# Altium PCB CableNodeRevG.PcbDoc (part 2 of 3) (continued)
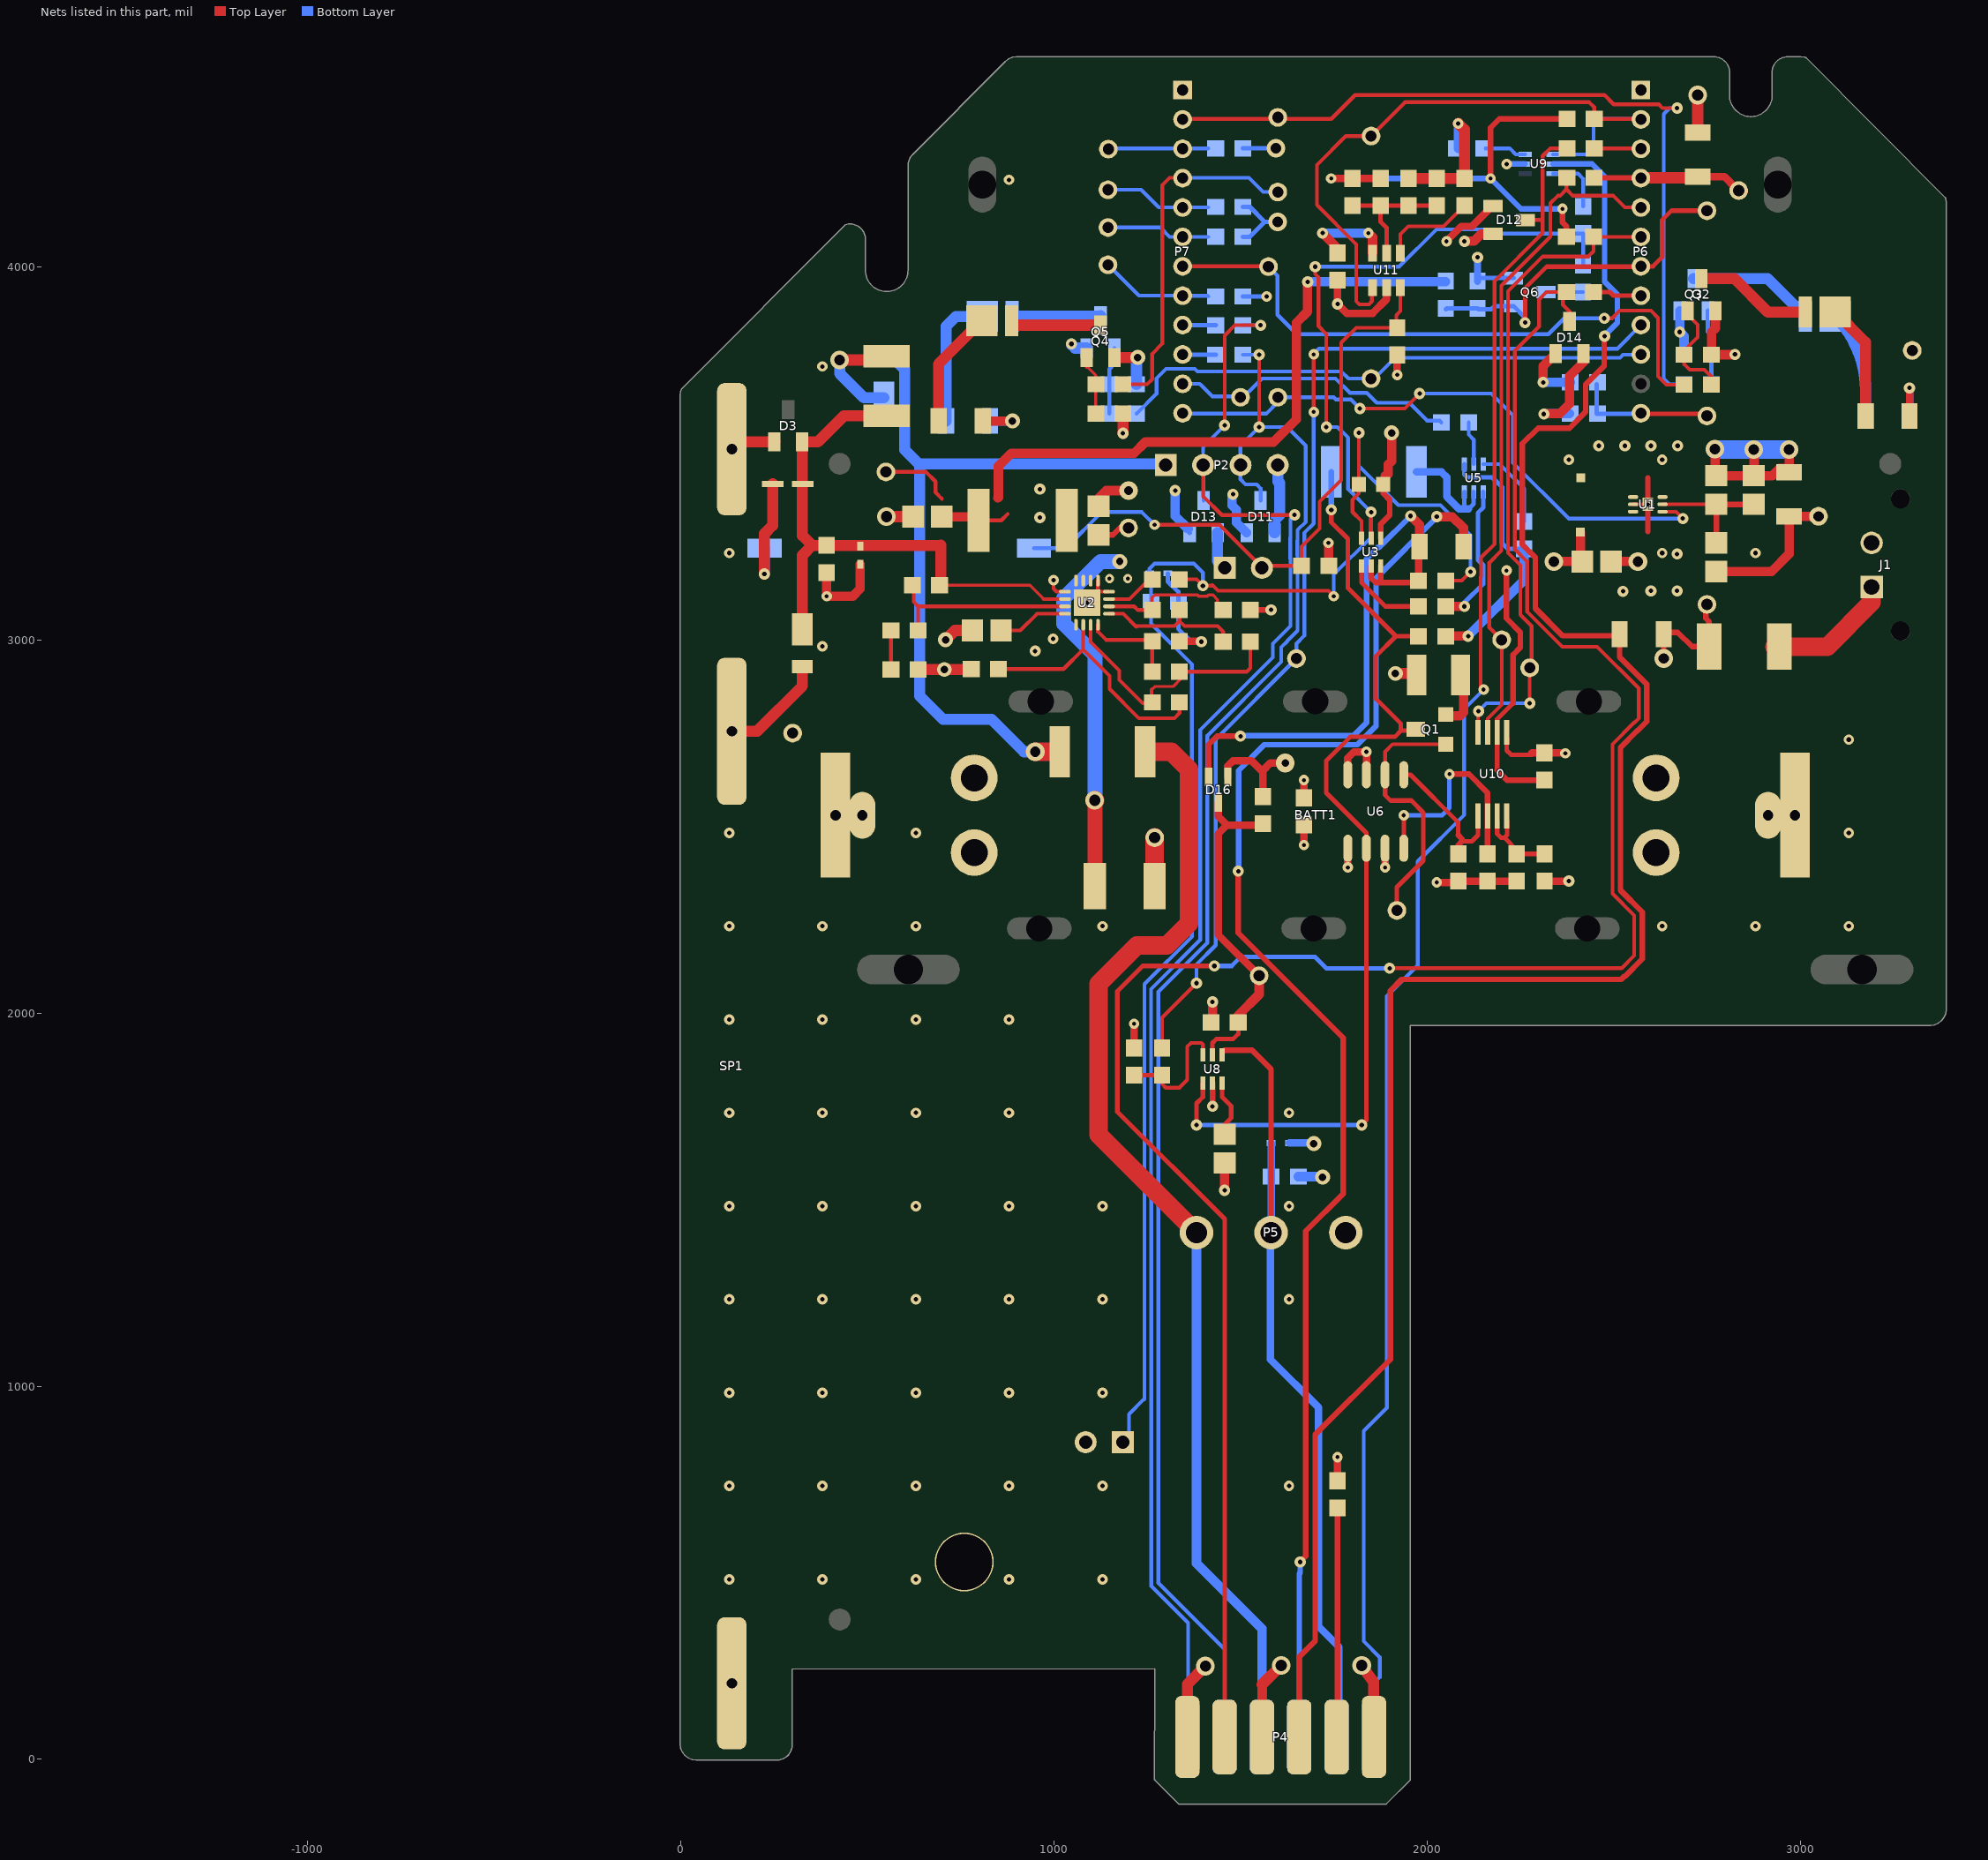
[diagram p4: the nets of this part, all layers, seen from the top]
## Nets (pads, with @x,y where several pads share a name; then routed paths per layer and width w, separated by ;. In a path a pad name is that pad's centre, name@x,y a point inside that pad or via, vN(x,y) a via of type N, cw(c..) or ccw(c..) an arc to the next point about the centre after c; other vN are vias at no path point) (continued)
  Top Layer w15: v1(1425,1750) U8.2@1425,1812.6 ; R7.2@1526.42,3080 v1@1581.57,3080 ; 2591.48,3290.71 v3(2591.48,3363.12) 2591.48,3434.31
  Top Layer w20: R67.2@1215,1906.42 v3(1215,1971.17) ; R12.2@1336.42,2996.61 1393.39,2996.61 v1(1395,2995) ; C10.1@1670,2576.42 v3(1670,2624.14) ; R44.1@1760,746.42 v3(1760,810) ; C51.1@1760,3963.58 v1(1760,3900) 1784.87,3875.13 1854.09,3875.13 1891.26,3912.3 U11.2@1891.26,3943.74 ; U6.8@1787.5,2638.43 1787.5,2683.37 1804.15,2700.01 v3(1837.5,2700.01) U6.7@1837.5,2638.43 ; v3(1887.5,2390) U6.3@1887.5,2441.57 ; v3(1920,3710) C9.1@1920,3763.58 ; v8@2051.42,4068 2091.5,4108.08 2120.53,4108.08 2174.85,4162.4 D12.1@2176.69,4162.4 ; 2280,2695.87 2281.11,2696.97 C53.1@2314,2696.97 2369.53,2696.97 v3(2370.64,2695.87) ; C20.1@2319.72,2353.58 v1@2373.54,2353.58
  Top Layer w25: D5.1@391.19,3180.24 v3(391.19,3116.66) 461.19,3116.66 481.19,3136.66 D6.2@481.19,3202.06 ; C3.1@1119.68,3358.01 1119.68,3378.92 1140.75,3400 v9(1200,3400) ; C11.2@1425,1978.83 v1(1425,2030) ; v1(1457.59,1525) R39.2@1457.59,1598.23 ; R19.2@2050,3089.67 v1(2100,3089.67) ; v1(2311,3690) 2311,3733.35 D14.1@2344.34,3766.69 ; C4.1@2492.93,3210.01 v4(2565.02,3210.01) ; Q2.2@2772.4,3881.69 2772.4,3835 2762.4,3825 2762.4,3764.98 R23.2@2761.42,3764 2824.02,3764 v1(2825,3764.98) ; R3.2@2775,3183.04 2923.04,3183.04 2970,3230 C5.1@2970,3330.94 ; C5.1@2985.69,3330.94 pad.0@3048.7,3330.94
  Top Layer w30: v1(224.19,3176.66) 224.19,3284.19 246.52,3306.53 D15.2@246.52,3417.66 ; v10(551.48,3330.01) C2.1@622.73,3330.01 C2.1@626.48,3330.01 ; R10.2@636.42,2920.64 v5(706.51,2920.64) R11.2@772.1,2920.64 ; v5(710,3000) 735.02,3025.01 C6.1@781.48,3025.01 ; Q4.2@1162.4,3756.69 v5(1224.67,3756.69) ; v1(1185.13,3553.64) R31.2@1185.13,3606 ; P4.12@1357.59,74 1357.59,201.39 v6(1406.19,250) ; v6@1825,250 1857.2,206.79 P4.2@1857.2,74.39 ; R65.1@1950,4236.42 C54.1@2025.87,4236.42 C50.1@2100,4236.42 2100,4367.13 v2(2083.51,4383.62) ; C8.1@2725,4359.06 v6(2725,4459.68)
  Bottom Layer w12: D9.2@1305.61,3178 1305.61,3156.39 1333.42,3128.58 D10.1@1333.42,3102 1333.42,3029.58 1368,2995 v1(1395,2995) ; R53.2@1506.42,3920 v2(1570,3920) ; R52.2@1506.42,4080 1525,4080 1565,4120 ; R51.2@1506.42,4160 1525,4160 1565,4120 ; R50.2@1506.42,4317 v4(1595,4317) ; v4(1600,4120) 1565,4120 ; v2(2083.51,4383.62) 2083.51,4370.51 2083,4370.01 2083.58,4369.43 ; v1@2100,3099.41 2150.59,3150 2150.59,3200 2136.06,3214.53 2136.06,3340 2150.59,3354.53 U5.1@2150.59,3396.06 ; R38.1@2135.24,3961.42 2143.11,3969.29 Q6.2@2231.69,3969.29
  Bottom Layer w15: v2(2212.99,4275) U9.2@2262.6,4275
  Bottom Layer w20: 1600,3425 1605,3420 ; D8.1@1631.32,1651.66 v5@1694.66,1651.66 ; R38.1@2135.24,3961.42 v1@2135.24,4012.4
  Bottom Layer w25: D2.1@1654.94,1561.66 v5@1707.79,1561.66 ; v5@1694.66,1651.66 v5(1696.32,1650) ; R60.2@2083.58,4317 2083.58,4369.43 ; v1(2311,3690) R37.1@2383.58,3690 ; Q3.2@2677.18,3881.69 v1(2677.18,3825) 2688.58,3813.6 R24.2@2688.58,3764
  Bottom Layer w30: v1@224.49,3178.37 SW1.1@224.49,3245.64 ; v1(1047,3793) 1047,3791.39 1056.69,3781.69 Q5.2@1087.6,3781.69 ; R34.2@1221.55,3685 v5@1221.55,3760 ; D13.1@1438.6,3286.71 1438.6,3211.4 P3.1@1450,3200 ; D11.1@1591.4,3286.69 1591.4,3321.4 1605,3335 1605,3420 ; 1600,3425 P2.4@1600,3468.21 P2.4@1600,3471.66
  other v1: 2380,2353.58 950,2970 1582.1,3080.53 2525,3130 2599.69,3131.33 2670,3131.33 2670,3230 962.5,3328 962.5,3404 2460,3519.9 2530.1,3519.9 2600,3519.9 2671.4,3520 2135.24,4025
  other v2: 130.01,482.64 380.01,482.64 630.01,482.64 880.01,482.64 1130.01,482.64 130.01,732.64 380.01,732.64 630.01,732.64 880.01,732.64 1130.01,732.64 1630.01,732.64 130.01,982.64 380.01,982.64 630.01,982.64 880.01,982.64 1130.01,982.64 130.01,1232.64 380.01,1232.64 630.01,1232.64 880.01,1232.64 1130.01,1232.64 1630.01,1232.64 130.01,1482.64 380.01,1482.64 630.01,1482.64 880.01,1482.64 1130.01,1482.64 1630.01,1482.64 130.01,1732.64 380.01,1732.64 630.01,1732.64 880.01,1732.64 1630.01,1732.64 130.01,1982.64 380.01,1982.64 630.01,1982.64 880.01,1982.64 130.01,2232.64 380.01,2232.64 630.01,2232.64 1130.01,2232.64 2630.01,2232.64 2880.01,2232.64 3130.01,2232.64 130.01,2482.64 630.01,2482.64 3130.01,2482.64 3130.01,2732.64 380.01,2982.64 998,3003 130.01,3232.64 2630.01,3232.64 2880.01,3232.64 2380.01,3482.64 2630.01,3482.64 380.01,3732.64 880.01,4232.64
  other v5: 1720,1560
  other v6: 1825,251.66
  other v7: 1149,3164 1198,3164
  other v8: 2052.17,4067.91
GPIO7: P7.9 R27.1 | length 88.6
  Bottom Layer w12: P7.9@1345,3843 R27.1@1433.58,3843
GPIO8: P7.10 R28.1 | length 88.6
  Bottom Layer w12: P7.10@1345,3764 R28.1@1433.58,3764
GPIO15: P6.8 R41.2 | length 111.1
  Top Layer w12: R41.2@2446.42,3931.89 2490,3931.89 2499.21,3922.68 2499.21,3922 P6.8@2553,3922
GPIO19: P6.3 R40.2 | length 106.1
  Top Layer w10: R40.2@2446.9,4317 P6.3@2553,4317
HW_VER1: P7.3 R50.1 TP21.1 | length 268.4
  Bottom Layer w10: TP21.1@1146,4315 1148,4317 R50.1@1413.58,4317
HW_VER2: P7.5 R51.1 TP22.1 | length 288.1
  Bottom Layer w10: TP22.1@1145,4206.03 1233.97,4206.03 1281,4159 R51.1@1413.58,4159
HW_VER3: P7.6 R52.1 TP23.1 | length 278.9
  Bottom Layer w10: TP23.1@1145,4105 1285,4105 1310,4080 1345,4080 R52.1@1413.58,4080
HW_VER4: P7.8 R53.1 TP24.1 | length 303.7
  Bottom Layer w10: TP24.1@1145,4005 1227.76,3922.24 P7.8@1345,3922.24 ; P7.8@1345,3922 1411.58,3922 R53.1@1413.58,3920
I2C_SCL: P6.5 R68.1 TP15.1 U10.3 | length 1821.6
  Top Layer w10: U10.3@2162.2,2733.69 U10.3@2163.96,2735.45 ; U10.3@2162.2,2737.2 U10.3@2162.2,2752.2 2162.2,2788.9 2200,2826.69 TP15.1@2200,3000 2166.5,3033.5 2166.5,3206.5 2199,3239 2199,3949 2330.21,4080.21 2330.21,4170 2350.21,4190 2356.51,4190 2373.58,4207.08 ; R68.1@2373.58,4238 2373.58,4207.08 ; P6.5@2553,4159 2530,4159 2499,4190 2390.66,4190 2373.58,4207.08
I2C_SDA: P6.6 R55.1 TP14.1 U10.4 | length 1761.2
  Top Layer w10: U10.4@2136.61,2752.2 v1@2136.61,2796.31 ; v1(2275,2830) TP14.1@2275,2925 2280,2930 2280,3037.18 2250,3067.18 2250,3200 2217,3233 2217,3934.33 2310,4027.33 2432.33,4027.33 2446.42,4041.42 R55.1@2446.42,4080 P6.6@2573,4080
  Bottom Layer w10: v1(2138,2809) 2159,2830 v1(2275,2830)
LED1: P7.7 R25.1 TP7.1 | length 1700.4
  Top Layer w10: P7.7@1325,4001 1345,4001 TP7.1@1575,4001 ; v1(2475,3861.64) 2495.89,3861.64 2516.26,3882 2599.69,3882 2618.78,3862.92 2618.78,3705.91 2641.18,3683.51 R25.1@2688.58,3683.51
  Bottom Layer w10: TP7.1@1575,4000 1599,3976 1599,3870.99 1651.05,3818.94 2325,3818.94 2367.7,3861.64 v1(2475,3861.64)
LED2: P7.2 R26.1 TP8.1 | length 2178.1
  Top Layer w10: P7.2@1345,4396 1743.41,4396 1807.09,4459.68 2475.32,4459.68 2500,4435 2620.94,4435 2630.94,4425 v1(2670,4425)
  Bottom Layer w10: v1(2670,4425) 2650,4425 2634.06,4409.06 2634.06,3700 2649.06,3685 R26.1@2688.58,3685
LED3: P7.4 R30.1 TP9.1 | length 948.5
  Top Layer w10: R30.1@1185.13,3685 1250,3685 1263.58,3698.58 1263.58,3766.69 1290.39,3793.5 1290.39,4218.39 1310,4238 P7.4@1345,4238
  Bottom Layer w10: P7.4@1345,4238 1523,4238 1561,4200 TP9.1@1600,4200
LED4: P6.10 R33.1 TP10.1 | length 1462.8
  Bottom Layer w10: R33.1@1221.55,3606 1275,3659.45 1275,3700.53 1300.85,3726.38 1377.5,3726.38 1384.41,3719.46 1770,3719.46 1789.46,3700 1858.51,3700 1914.51,3756 2517,3756 2525,3764 P6.10@2573,3764
N_5V_OFF: P7.12 TP13.1 U1.4 | length 1670.4
  Top Layer w10: v1(1820,3620) 1940.11,3620 v1(1980,3659.89) ; U1.4@2630.85,3343.43 2666.95,3343.43 v1(2685.38,3325)
  Bottom Layer w10: P7.12@1345,3606 1569,3606 1600,3637 TP13.1@1600,3650 1750,3650 1756,3644 1796,3644 v1(1820,3620) ; v1(1980,3659.89) 2171.81,3659.89 2230,3601.69 2230,3474.72 2379.72,3325 v1(2685.38,3325)
NBOOT_CNE: D14.3 P4.10 R41.1 | length 5764.8
  Top Layer w10: v1@1899.55,2129.6 v1(1899.55,2120) 2521.38,2120 2555.02,2153.64 2555.02,2261.67 2496.69,2320 2496.69,2720.3 2553.89,2777.49 2555,2777.49 2567.51,2790 2567.51,2869.8 2455.65,2981.66 2362.01,2981.66 2268,3075.67 2268,3210 2235,3243 2235,3775 2300,3840 2300,3911.89 2320,3931.89 R41.1@2373.58,3931.89 2364.11,3922.41 2364.11,3897.59 2381.74,3879.95 D14.3@2381.74,3854.26
  Top Layer w12: v1(1430,2126.06) 1238,2126.06 1170,2058.06 1170,1735.51 1457.59,1447.93 P4.10@1457.59,74
  Bottom Layer w12: v1(1430,2126.06) 1476.11,2126.06 1500,2149.95 1700.05,2149.95 1730,2120 v1(1899.55,2120)
NetC1_1: C1.1 R1.1 R3.1 U1.5 | length 348.9
  Top Layer w10: U1.5@2630.85,3363.12 R1.1@2775,3363.12
  Top Layer w15: R3.1@2775,3259.81 R1.1@2775,3363.12 C1.1@2876.44,3363.12
NetC6_2: C6.2 U2.4 | length 180
  Top Layer w10: C6.2@868.25,3025.01 910,3025.01 954.98,3070 1006.44,3070 ; 1006.45,3069.99 U2.4@1029.62,3069.99
NetC7_2: C7.2 R13.1 U3.6 | length 957.8
  Top Layer w10: v1@1817.52,3562.52 v1(1817.52,3555) R13.1@1817.52,3416.37 1817.52,3392.52 1800,3375 1800,3342.52 1824.41,3318.11 U3.6@1824.41,3272.4 ; C7.2@2050,3158.57 2093.08,3158.57 v1(2116.7,3182.19)
  Bottom Layer w10: v1@1820,3565 1817.52,3562.52 v1(1817.52,3555) 1817.52,3466.58 1923.09,3361.01 2035.89,3361.01 2054.87,3342.03 2054.87,3341.47 2116.06,3280.28 2116.06,3182.83 v1(2116.7,3182.19)
NetC9_2: C9.2 P3.2 R63.2 SW1.2 U11.3 | length 1738.6
  Top Layer w10: v3(1270.02,3308.34) 1443.71,3308.34 1553.58,3198.47 R63.2@1663.84,3198.47 1663.84,3250 1712,3298.16 1712,3370 1770,3428 1770,3796.42 1810,3836.42 C9.2@1920,3836.42 1917.4,3839.02 1917.4,3870 1928.66,3881.26 U11.3@1928.66,3943.74
  Bottom Layer w10: SW1.2@946.54,3245.64 1031.62,3245.64 1128.43,3342.45 1235.91,3342.45 v3(1270.02,3308.34)
NetC20_2: C20.2 R58.2 U10.7 U10.8 | length 242
  Top Layer w12: U10.7@2187.8,2512.8 2187.8,2480 2197.8,2470 2207.19,2470 ; U10.8@2214,2516 2214,2476.81 2207.19,2470 ; C20.2@2319.72,2426.42 R58.2@2240,2426.42 2240,2437.19 2207.19,2470
NetC50_2: C50.2 U11.4 | length 253.6
  Top Layer w10: U11.4@1928.66,4036.26 1928.66,4086.74 1950,4108.08 2044.5,4108.08 C50.2@2100,4163.58
NetC52_1: C52.1 C54.2 R64.2 R65.2 U11.5 | length 359.7
  Top Layer w12: R64.2@1800,4163.58 C52.1@1875.59,4163.58 ; U11.5@1891.26,4036.26 1891.26,4104.33 1875.59,4120 C52.1@1875.59,4163.58 ; C54.2@2025.87,4163.58 R65.2@1950,4163.58 C52.1@1875.59,4163.58
NetD1_1: D1.1 P2.1 R45.2 | length 2042.8
  Top Layer w50: v4(950,2700) R45.2@1015.83,2700
  Bottom Layer w25: D1.1@544.54,3748.98 576.02,3748.98
  Bottom Layer w30: 576.02,3748.98 600,3725 600,3510 640,3470 ; v4@937.22,2700 920,2700 833.23,2786.77 703.23,2786.77 640,2850 640,3470 ; P2.1@1300,3471.66 641.66,3471.66 640,3470
NetD1_2: D1.2 F2.2 | length 311
  Top Layer w25: F2.2@541.48,3750 F2.2@551.48,3760
  Top Layer w30: v4(426.19,3750) F2.2@541.48,3750
  Bottom Layer w30: v4(426.19,3750) 426.19,3713.81 491.42,3648.58 D1.2@544.54,3648.58
NetD3_1: D3.1 SP1.3 | length 133.3
  Top Layer w25: SP1.3@137.01,3510.89 138.99,3512.87 SP1.3@138.99,3530.58
  Top Layer w30: SP1.3@138.99,3530.58 D3.1@251.79,3530.58
NetD4_1: D4.1 SP1.2 | length 290.6
  Top Layer w30: SP1.2@137.01,2754.99 204.52,2754.99 326.19,2876.66 D4.1@326.19,2927.69
NetF3_2: F3.2 U2.14 | length 997.5
  Top Layer w40: F3.2@1110,2340 v6@1110,2569.48
  Top Layer w50: v6(1109.48,2570) v6@1110,2569.48
  Bottom Layer w40: v6@1110,2570 1110,2959.48 1026.06,3043.42 1026.06,3111.07 1125,3210.01 v5(1176.48,3210.01)
NetL1_B: L1.B U1.1
NetL2_B: L2.B U2.16
NetLED1_A: LED1.A R21.2 | length 312.2
  Top Layer w30: LED1.A@3093.23,3878.22 3093.63,3878.22 3174.67,3797.18 R21.2@3174.67,3600
NetLED1_K: LED1.K Q2.3 | length 316
  Top Layer w30: Q2.3@2735,3968.31 2823.33,3968.31 2913.41,3878.22 LED1.K@3013.71,3878.22
NetLED2_A: LED2.22 R22.2 | length 288.3
  Bottom Layer w30: LED2.22@3093.29,3866.58 3116.49,3840.24 cw(c2896.84,3670.13) 3174.67,3670.13 R22.2@3174.67,3600
NetLED2_K: LED2.K Q3.3 | length 354.9
  Bottom Layer w30: Q3.3@2714.58,3968.31 2912.04,3968.31 2987.43,3892.92 3010.65,3892.92 3013.76,3889.81 LED2.K@3013.76,3866.58
NetLED3_A: LED3.A R29.2 | length 316.5
  Top Layer w30: R29.2@690.94,3586.64 690.94,3738.86 806.85,3854.76 LED3.A@807.24,3854.76
NetLED3_K: LED3.K Q4.3 | length 247.9
  Top Layer w30: LED3.K@886.77,3854.76 886.77,3846.42 889.88,3843.31 Q4.3@1125,3843.31
NetLED4_A: LED4.A R32.2 | length 361.8
  Bottom Layer w30: R32.2@710.94,3586.64 710.94,3839.99 737.57,3866.62 LED4.A@808.35,3866.62
NetLED4_K: LED4.K Q5.3 | length 237.8
  Bottom Layer w30: LED4.K@887.88,3866.62 888.73,3867.46 1124.16,3867.46 Q5.3@1125,3868.31
NetQ1_G: Q1.G TP6.1 U6.6 | length 700.3
  Top Layer w10: U6.6@1887.5,2638.43 1887.5,2700.01 1907.49,2720 Q1.G@2050,2720
  Top Layer w12: U6.6@1887.5,2638.43 1887.5,2583.88 1901.9,2569.48 1957.69,2569.48 1990,2537.17 1990,2408.1 1919.16,2337.26 TP6.1@1919.16,2275
NetQ1_S: Q1.S R17.2 | length 135.8
  Top Layer w25: Q1.S@2059.53,2796.69 2087.99,2796.69 2097.64,2806.34 R17.2@2097.64,2900
NetQ2_1: Q2.1 R23.1 R25.2 | length 282.1
  Top Layer w10: Q2.1@2687.6,3881.69 2725,3844.29 2725,3810.96 2688.58,3774.54 R23.1@2688.58,3764 2688.58,3738.89 2703.59,3723.88 2743.2,3723.88 2761.42,3705.66 R25.2@2761.42,3683.51
NetQ3_1: Q3.1 R24.1 R26.2 | length 200.6
  Bottom Layer w12: Q3.1@2751.98,3881.69 2751.98,3826.02 2761.42,3816.58 R24.1@2761.42,3764 R26.2@2761.42,3685
NetQ4_1: Q4.1 R30.2 R31.1 | length 162.9
  Top Layer w8: Q4.1@1087.6,3756.69 1087.6,3730 1090.92,3730 1112.3,3708.62 R30.2@1112.3,3685 R31.1@1112.3,3606
NetQ5_1: Q5.1 R33.2 R34.1 | length 181.4
  Bottom Layer w10: R33.2@1148.72,3606 R34.1@1148.72,3685 1148.72,3725.53 1162.4,3739.22 Q5.1@1162.4,3781.69
NetQ6_3: Q6.3 R47.1 | length 99.6
  Bottom Layer w10: Q6.3@2318.31,3931.89 R47.1@2417.93,3931.89
NetR2_1: R2.1 R4.2 U2.3 | length 519.9
  Top Layer w10: R2.1@624.1,3146.64 624.1,3101.99 636.42,3089.67 ; R4.2@636.42,3025 636.42,3089.67 ; U2.3@1029.62,3089.67 636.42,3089.67
NetR4_1: R4.1 R10.1 | length 104.4
  Top Layer w10: R10.1@563.58,2920.64 R4.1@563.58,3025
NetR5_1: R5.1 R6.2 U2.9 | length 394.8
  Top Layer w10: U2.9@1147.73,3069.99 1185.86,3069.99 1220.63,3035.22 1222.14,3036.73 1322.83,3036.73 1336.42,3050.31 ; R6.2@1336.42,3080 1336.42,3050.31 ; R5.1@1453.58,2995 1453.58,3021.78 1438.64,3036.73 1350,3036.73 1336.42,3050.31
NetR5_2: R5.2 R8.1 R9.2 U2.7 | length 691.2
  Top Layer w8: 1261.78,2866.78 1270,2875 1319.48,2875 R9.2@1339.48,2895
  Top Layer w10: U2.7@1098.52,3040.46 1098.52,2994.34 1175,2917.86 1175,2893 1238,2830 1261.19,2830 R8.1@1263.58,2832.39 ; 1261.78,2866.78 1261.78,2851.81 R8.1@1263.58,2850 ; R9.2@1336.42,2914.74 R9.2@1339.48,2914.74 ; R9.2@1339.48,2895 R9.2@1339.48,2914.74 ; R5.2@1511.42,2995 R5.2@1511.42,3000 ; R5.2@1526.42,2995 1526.42,2924.1 1517.05,2914.74 R9.2@1339.48,2914.74
NetR6_1: R6.1 R7.1 U2.10 | length 366.8
  Top Layer w8: R6.1@1263.58,3080 1263.05,3080.53 1263.05,3113.04 1270.02,3120 1384.81,3120 1387.81,3117 1411.01,3117 1414.01,3120 1426.26,3120 1438.58,3107.67 R7.1@1438.58,3080
  Top Layer w10: U2.10@1147.73,3089.67 1215,3089.67 1224.67,3080 R6.1@1263.58,3080
NetR8_2: R8.2 R11.1 U2.6 | length 709.3
  Top Layer w10: R11.1@844.93,2920.64 R11.1@851.42,2920.64 ; R11.1@851.42,2921.66 1025.84,2921.66 1078.52,2974.34 ; 1078.52,3010.84 1078.52,2974.34 ; 1078.83,3012.37 U2.6@1078.83,3040.46 ; R8.2@1336.42,2832.39 1336.42,2803.58 1322.83,2790 1227.73,2790 1149.18,2868.56 1149.18,2903.68 1078.52,2974.34
NetR9_1: R9.1 R12.1 U2.8 | length 249.1
  Top Layer w10: U2.8@1118.2,3040.46 1118.2,3021.63 1139.83,3000 R12.1@1263.58,3000 ; R9.1@1263.58,2920.64 R12.1@1263.58,2996.61
NetR15_2: R15.2 U5.5 | length 117.1
  Bottom Layer w10: R15.2@2111.42,3582.38 2111.42,3550.2 2125,3536.62 U5.5@2125,3470.86
NetR16_1: R16.1 U5.6 | length 224.9
  Bottom Layer w10: U5.6@2150.59,3470.86 2194.5,3470.86 2259.84,3405.51 R16.1@2259.84,3316.93
NetR18_1: R18.1 U5.2 U5.3 | length 307.6
  Bottom Layer w12: U5.3@2099.41,3396.06 2099.41,3351.83 2100.32,3350.91 ; 2111.62,3350.91 2125,3364.3 U5.2@2125,3396.06
  Bottom Layer w20: R18.1@1971.76,3450 2038.58,3450 2053,3435.58 2053,3383.5 2085.59,3350.91 2100.32,3350.91 2111.62,3350.91
NetR19_1: R19.1 U3.1 | length 223.2
  Top Layer w12: U3.1@1824.41,3197.6 1824.41,3153.68 1888.41,3089.67 R19.1@1977.17,3089.67
NetR20_2: R20.2 U2.11 | length 137.7
  Top Layer w10: U2.11@1147.73,3109.36 1202.72,3109.36 1255.46,3162.09 R20.2@1263.58,3162.09
NetR39_1: R39.1 U8.3 | length 130.6
  Top Layer w12: U8.3@1450.59,1812.6 1450.59,1775 1475,1750.59 1475,1719.09 R39.1@1455.91,1700
NetR56_1: R56.1 U6.4 U10.6 | length 584.1
  Top Layer w12: U6.4@1937.5,2441.57 v3(1937.5,2530)
  Top Layer w15: v3(2060,2640) 2112.34,2640 2162.2,2590.14 R56.1@2162.2,2438.09
  Bottom Layer w12: v3(1937.5,2530) 2040,2530 2060,2550 v3(2060,2640)
NetR57_1: R57.1 U6.5 U10.5 | length 365.9
  Top Layer w12: U6.5@1937.5,2638.43 1955.71,2638.43 2083.51,2510.63 2083.51,2476.81 ; 2093.51,2460 2120,2460 2136.61,2476.61 U10.5@2136.61,2512.8
  Top Layer w15: R57.1@2083.51,2438.09 2083.51,2450 2093.51,2460 2093.51,2466.81 2083.51,2476.81
NetR60_1: R60.1 U9.3 | length 113
  Bottom Layer w10: R60.1@2156.42,4317 2221.18,4317 2237.59,4300.59 U9.3@2262.6,4300.59
NetR62_1: R62.1 U9.6 | length 160.7
  Bottom Layer w10: U9.6@2337.4,4249.41 2404.38,4249.41 2418.16,4235.63 R62.1@2418.16,4161.42
NetR66_2: R66.2 R67.1 U8.6 | length 343.9
  Top Layer w10: R66.2@1290,1833.58 1290,1810 1300,1800 1336.42,1800 1357.59,1821.17 1357.59,1910 1367.59,1920 1395,1920 1399.41,1915.59 U8.6@1399.41,1887.4
  Top Layer w12: R67.1@1215,1833.58 R66.2@1290,1833.58
NRESET: P6.2 R69.2 TP20.1 U9.4 U11.1 | length 1741.3
  Top Layer w10: U11.1@1853.86,3943.74 1852.01,3941.9 1852.01,3907 1844.15,3899.13 1818.39,3899.13 1810,3907.52 1810,4060 1704.72,4165.28 1704.72,4272.62 1782.1,4350 TP20.1@1850,4350 1940.68,4440.68 2434.32,4440.68 2447.89,4427.11 R69.2@2447.89,4396 P6.2@2553,4396
  Bottom Layer w10: U9.4@2337.4,4300.59 2429.47,4300.59 2446.42,4317.54 2446.42,4380 2462.42,4396 P6.2@2553,4396
NRESET_CNE: D12.3 P4.1 R40.1 | length 4571.5
  Top Layer w10: v3(2151.42,2866.78) 2143.7,2874.49 2143.7,3168.6 2144.7,3169.6 2144.7,3220.7 2181,3257 2181,3961.42 2309.58,4090 2309.58,4125 ; D12.3@2263.31,4125 2309.58,4125 ; R40.1@2374.07,4317 2330,4317 2309.58,4296.58 2309.58,4125
  Bottom Layer w10: P4.1@1857.59,74 1857.59,203.27 1857.2,203.66 1873.13,219.6 1873.13,273.53 1830,316.66 1830,880 1892.36,942.36 1892.36,2045 1975,2127.64 1975,2406.48 2099.41,2530.89 2099.41,2814.77 v3(2151.42,2866.78)
POWER_IN: P4.7 P5.1 R45.1 | length 3045.7
  Top Layer w50: R45.1@1244.17,2700 1315.05,2700 1362.2,2652.84 1362.2,2240.07 1303.24,2181.1 1222.24,2181.1 1119.68,2078.54 1119.68,1674.17 P5.1@1382.1,1411.74
  Bottom Layer w25: P5.1@1382.1,1411.74 1382.1,525.48 1557.59,350 P4.7@1557.59,74
RXD_RF200: D13.3 P2.2 P4.11 R27.2 | length 4400.8
  Top Layer w10: P2.2@1400,3468.21 1400,3384.25 1450,3334.25 1644.25,3334.25 v1(1645,3335) ; v1(1457.59,3575) 1457.59,3815.59 1485,3843 v1(1554,3843)
  Bottom Layer w10: P4.11@1357.59,74 1360,76.41 1360,365.72 1261,464.72 1261,1557.04 1260.58,1557.45 1260.58,2064.32 1392,2195.74 1392,2757.98 1587,2952.98 1587,2990 1634,3037 1634,3216.92 1633.26,3217.66 1633.26,3273.17 1634,3273.91 1634,3324 v1(1645,3335) ; P2.2@1400,3468.21 1401.19,3467.02 D13.3@1401.19,3373.32 ; 1400,3502.41 1400,3517.41 v1(1457.59,3575) ; R27.2@1506.42,3843 v1(1554,3843)
SPARE1: P4.4 R44.2 | length 614.6
  Top Layer w15: P4.4@1757.59,60 1760,62.41 R44.2@1760,673.58
TXD_RF200: D11.3 P2.3 P4.9 R28.2 | length 4324.4
  Top Layer w10: v1(1550,3570) v1(1550,3764)
  Bottom Layer w10: P4.9@1457.59,74 1457.59,295 1280,472.59 1280,1550 1280,2056.87 1411,2187.87 1411,2743.05 1608.98,2941.02 1608.98,2980 1625,2996.02 1625,2996.5 1653,3024.5 1653,3224.79 1652.26,3225.53 1652.26,3265.3 1653,3266.04 1653,3294.32 1675,3316.32 1675,3520 1625,3570 v1(1550,3570) 1500,3520 P2.3@1500,3468.21 1500,3430 1513.63,3416.37 1543.63,3416.37 1554,3406 D11.3@1554,3373.31 ; R28.2@1506.42,3764 v1(1550,3764)
VBAT_FUSED: F1.1 R13.2 R42.1 TP3.1 U3.4 | length 634.5
  Top Layer w12: R13.2@1882.48,3416.37 R13.2@1887.49,3421.38 ; 1887.49,3439.05 1891.26,3439.05
  Top Layer w15: U3.4@1875.59,3272.4 1875.59,3310.12 1900,3334.53 1900,3375 1882.48,3392.52 R13.2@1882.48,3416.37 ; v4(2634.06,2950) R42.1@2634.06,3015.24 2638.78,3019.97 2671.7,3019.97 2710,2981.66 F1.1@2743.41,2981.66 ; TP3.1@2750,3094.9 2747.04,3091.94 2747.04,3057.32 2755.91,3048.45 F1.1@2755.91,2982.24
  Top Layer w25: R13.2@1887.49,3421.38 1887.49,3439.05 ; 1891.26,3439.05 1896.21,3444 1896.21,3470 1905,3478.79 v5(1905,3554.5) ; v5(1905,3554.5) 1904.26,3554.5 1900,3558.76 1900.74,3558.76 v5(1905,3554.5)
VBAT_OK: D9.1 D10.2 P1.1 R20.1 R47.2 R62.2 U3.5 | length 5008.2
  Top Layer w10: R20.1@1336.42,3162.09 1382.32,3162.09 v1(1399.41,3145) 1423.29,3145 1425,3146.71 1440.38,3131.33 1735.67,3131.33 v3@1750,3117 ; v1(1700.26,4000) 1700.26,3980.1 1709,3971.35 1709,3841 1730,3820 v1(1730,3570) ; U3.5@1850,3272.4 v1(1850,3342.45)
  Bottom Layer w10: P1.1@1201.19,850 1201.19,925 1241.61,965.42 1242.58,965.42 1242.58,2077.58 1370,2205 1370,2934 1260.58,3043.42 D10.2@1260.58,3102 1260.58,3173.81 D9.1@1256.39,3178 1256.39,3190.79 1270,3204.39 1375.02,3204.39 1399.41,3180 v1(1399.41,3145) ; v1(1700.26,4000) 1925,4000 2025,4100 2169.49,4100 2180.91,4088.58 R62.2@2418.16,4088.58 2418.16,4004.95 R47.2@2417.93,4004.72 ; v1(1730,3570) 1760,3570 1788.52,3541.48 1788.52,3403.93 v1(1850,3342.45) 1850,3275 1750,3175 v3(1750,3116.66)
VBAT_POS: BATT1.1 BATT1.2 BATT1.3 BATT1.4 F1.2 F3.1 J1.1 pad.1 | length 480
  Top Layer w50: F3.1@1270,2340 pad.1@1270,2470 ; F1.2@2931.59,2981.66 3072.29,2981.66 3191.19,3100.56 J1.1@3191.19,3141.66
VBAT_SENSE: P4.6 R42.2 U9.5 | length 5490.8
  Top Layer w15: P4.6@1657.59,74 1657.59,275 1700.26,317.67 1700.26,870.26 1901.9,1071.9 1901.9,2060 1931.9,2090 2520,2090 2528.5,2098.5 2530.28,2098.5 2576.52,2144.74 2576.52,2270.58 2518.19,2328.91 2518.19,2711.39 2562.79,2755.99 2563.91,2755.99 2589.01,2781.09 2589.01,2880.99 2515.94,2954.06 R42.2@2515.94,3015.24 ; v1@2474.66,3810.56 2474.66,3734.27 2425,3684.61 2425,3610.72 2381.72,3567.44 2297.44,3567.44 2255.5,3525.5 2255.5,3255.2 2290,3220.7 2290,3084.17 2363.32,3010.84 R42.2@2511.54,3010.84
  Bottom Layer w15: U9.5@2337.4,4275 2441.78,4275 2475.63,4241.15 2475.63,3959.34 2509.98,3925 2509.98,3849.99 v1@2475.63,3815.65
  other v1: 2475.63,3813.6
VBAT_SW_SENSE: P4.5 R43.2 | length 3911.4
  Top Layer w15: v1@1494,2370 1494,2214.69 1775,1933.69 1775,1515.55 1675,1415.55 1675,544 v1(1660,529)
  Top Layer w25: v1(2025.87,3330.01) 2067.62,3330.01 2097.64,3300 R43.2@2097.64,3250
  Bottom Layer w15: v1(1494,2380) 1495,2381 1495,2650 1564.05,2719.05 1812.99,2719.05 1863.37,2769.42 1863.37,3165.68 2025.87,3328.18 v1(2025.87,3330.01) ; P4.5@1657.59,74 1657.59,497.59 1660,500 v1(1660,529)
VBAT_SWITCHED: C4.2 C7.1 C8.2 C51.2 C52.2 C53.2 D11.2 D12.2 D13.2 D14.2 D16.2 L1.A P6.4 R35.1 R43.1 R55.2 R63.1 R64.1 R68.2 R69.1 TP19.1 U1.3 U3.2 U3.3 U10.2 U11.6 | length 4995.6
  Top Layer w12: 1875.01,3153.09 1875.59,3153.68 ; C7.1@1971.69,3153.09 C7.1@1977.17,3158.57 ; 2187.8,2650.63 U10.2@2187.8,2752.2 2187.8,2787.62 2219,2818.82 2219,2819 2230,2830
  Top Layer w15: D16.2@1414.79,2632.34 1414.79,2719.79 1436.9,2741.9 v1(1500,2741.9) ; U3.2@1850,3197.6 1850,3165.6 1862.5,3153.09 1875.01,3153.09 C7.1@1971.69,3153.09 ; 1875.59,3153.68 U3.3@1875.59,3197.6 ; v3(2170,4236.42) 2170,4372 2194,4396 R69.1@2375.06,4396 ; 2187.8,2650.63 2214.29,2624.14 C53.2@2314,2624.14 ; v3(2212.99,3185.71) 2212.99,3057.32 2250,3020.31 2250,2980 2230,2960 2230,2830 ; v3(2362.9,4155) 2362.9,4118.76 2373.58,4108.08 R55.2@2373.58,4080 ; R68.2@2446.42,4238 R68.2@2447.62,4238 P6.4@2573,4238
  Top Layer w20: v3(1743.04,4236.42) R64.1@1800,4236.42 C52.2@1875.59,4236.42 ; C7.1@1977.17,3158.57 R43.1@1977.17,3247.64 ; C8.2@2737.06,4238 2740,4240.94 2796.87,4240.94 2825.02,4212.8 2829.08,4212.8 2841.88,4200 TP19.1@2850,4200
  Top Layer w25: v1(1720,4090) 1760,4050 C51.2@1760,4036.42 ; v3(1735.67,3259.81) 1736.67,3258.81 R63.1@1736.67,3198.47 ; v3(1842.6,4090) 1853.86,4078.74 U11.6@1853.86,4036.26 ; v1(1955.86,3332.01) 1979.53,3308.34 R43.1@1979.53,3250 ; v1(2100,4068) 2125,4068 2144.6,4087.6 D12.2@2176.69,4087.6 ; v1(2313,3605) 2314,3606 2355.74,3606 2381.74,3632 2381.74,3707.09 2419.14,3744.49 D14.2@2419.14,3766.69 D14.2@2419.14,3767.65 ; v4(2340,3210) C4.2@2411.23,3210.01 ; C4.2@2411.23,3198.47 C4.2@2411.23,3210.01 ; L1.A@2411.23,3288.54 C4.2@2411.23,3210.01 ; C4.2@2416.16,3210.01 C4.2@2411.23,3210.01
  Top Layer w30: P6.4@2573,4238 C8.2@2737.06,4238
  Bottom Layer w12: D13.2@1359.8,3297.21 1359.8,3290.7 D13.2@1363.79,3286.71 ; v1@1477.59,3387.59 v1(1480,3390)
  Bottom Layer w15: v1(1500,2741.9) 1501.14,2743.05 1803.05,2743.05 1838.1,2778.1 1838.1,3217.51 1868.23,3247.64 1871.5,3247.64 v1(1955.86,3332.01) ; v3(1743.04,4236.42) v3(2170,4236.42) 2251.42,4155 v3(2362.9,4155)
  Bottom Layer w25: v1(1325,3400) 1325,3332.01 D13.2@1359.8,3297.21 ; v1@1477.59,3387.59 1477.59,3360 1489.27,3348.32 1489.27,3314.02 D11.2@1516.6,3286.69 ; v1(1720,4090) v3(1842.6,4090) ; v1@2314,3606 R35.1@2381.74,3606
VIN_SOLAR: C2.2 D3.2 D4.2 D5.2 D6.1 D15.1 F2.1 L2.A R2.2 R36.1 TP1.1 U2.2 | length 3654.6
  Top Layer w8: R2.2@696.93,3146.64 935.51,3146.64 972.8,3109.36
  Top Layer w10: TP1.1@550,3450 657.26,3450 682.95,3424.31 682.95,3394.92 700,3377.88 ; L2.A@798.37,3320.02 859.07,3320.02 876.19,3337.14 ; 972.8,3109.36 U2.2@1029.62,3109.36
  Top Layer w25: D3.2@325.6,3530.36 D3.2@326.19,3530.36 ; 696.31,3253.08 696.93,3253.7 ; C2.2@703.25,3330.01 L2.A@811.19,3330.01 ; 850,3380 851.42,3381.42 851.42,3465.61 885.81,3500 1215.01,3500 1245.01,3530 1588.84,3530 1650,3591.16 1650,3850 1680,3880 v1@1680,3957.92
  Top Layer w30: D4.2@326.19,3028.08 326.19,3226.66 352.61,3253.08 ; F2.1@551.48,3600 437,3600 367.35,3530.36 326.19,3530.36 326.19,3279.5 352.61,3253.08 ; 696.31,3253.08 D5.2@391.19,3253.08 352.61,3253.08 ; R2.2@696.93,3146.64 696.93,3253.7
  Bottom Layer w25: v1@1680,3959.72 R36.1@2050,3959.72
  other v1: 1680,3959.34
VSTOR: C3.2 TP2.1 U2.15 | length 88.1
  Top Layer w15: C3.2@1119.68,3281.24 1158.48,3281.24 1177.23,3300 TP2.1@1200,3300
pads on no net: BATT1.0 D3.3 FD1.0 FD2.0 FD3.0 J1.3 J1.4 MH1.1 MH2.1 P6.11 U9.1
copper on no net: | length 25
  Bottom Layer w10: -1619.99,3500 -1619.99,3525